# EAGLE board Mk4 Final Panel 8up 2x4 (EAGLE 9.0.1), part 20 of 23 (continued)
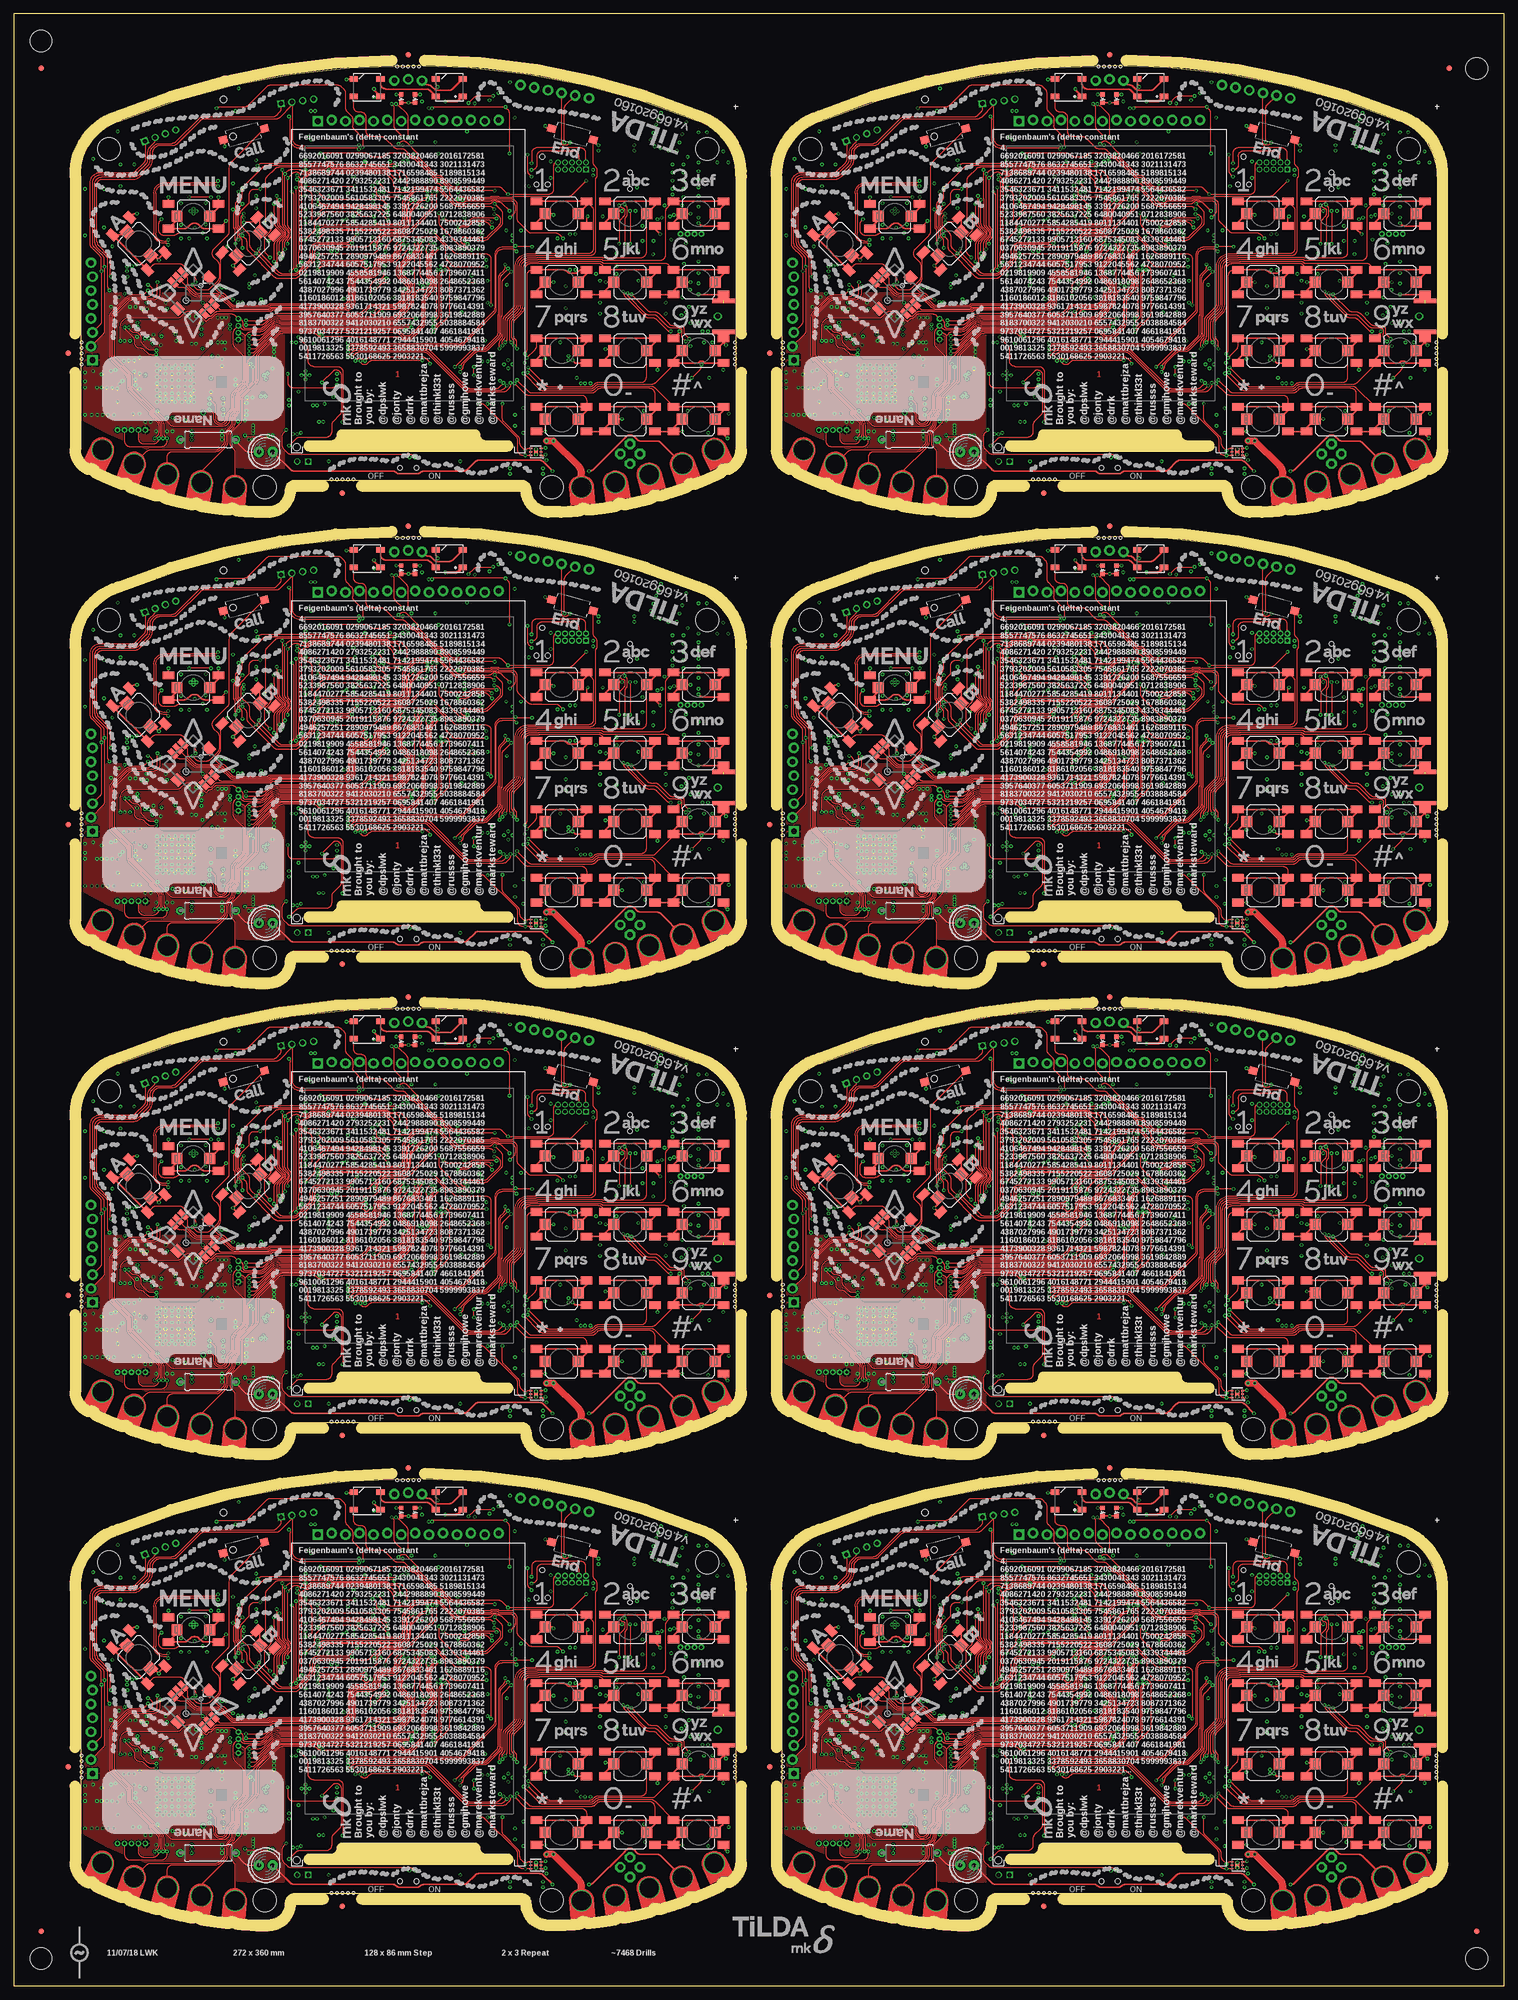
[diagram p0: board, top side]
## Tracks (layer width: path | path; a pad name or v marks a point on that pad's centre or on a via) (continued)
SWO  (via drill 0.3)
  Top 0.2: v93.75,76.25 93.75,73.41 arc45 94.04,72.71 v94.5,72.25
  Bottom 0.2: J3.6 101.9,76.3 arc90 100.9,77.3 95.16,77.3 arc45 94.46,77.01 93.75,76.3 v93.75,76.25 93.75,75.75 90.89,72.89 arc-45 90.19,72.6 84.51,72.6 arc45 83.81,72.31 82.99,71.49 arc-45 82.29,71.2 81.78,71.2 arc-45 81.43,71.35 81.37,71.4 arc45 81.02,71.55 81,71.55 80.98,71.55 arc45 80.63,71.4 80.57,71.35 arc-45 80.22,71.2 IC1.97 | JP4.6 94.66,72.09 v94.5,72.25
SWO1  (via drill 0.3)
  Top 0.2: v221.75,76.25 221.75,73.41 arc45 222.04,72.71 v222.5,72.25
  Bottom 0.2: J13.6 229.9,76.3 arc90 228.9,77.3 223.16,77.3 arc45 222.46,77.01 221.75,76.3 v221.75,76.25 221.75,75.75 218.89,72.89 arc-45 218.19,72.6 212.51,72.6 arc45 211.81,72.31 210.99,71.49 arc-45 210.29,71.2 209.78,71.2 arc-45 209.43,71.35 209.37,71.4 arc45 209.02,71.55 208.98,71.55 arc45 208.63,71.4 208.57,71.35 arc-45 208.22,71.2 IC20.97 | JP10.6 222.66,72.09 v222.5,72.25
SWO2  (via drill 0.3)
  Top 0.2: v93.75,162.25 93.75,159.41 arc45 94.04,158.71 v94.5,158.25
  Bottom 0.2: J23.6 101.9,162.3 arc90 100.9,163.3 95.16,163.3 arc45 94.46,163.01 93.75,162.3 v93.75,162.25 93.75,161.75 90.89,158.89 arc-45 90.19,158.6 84.51,158.6 arc45 83.81,158.31 82.99,157.49 arc-45 82.29,157.2 81.78,157.2 arc-45 81.43,157.35 81.37,157.4 arc45 81.02,157.55 80.98,157.55 arc45 80.63,157.4 80.57,157.35 arc-45 80.22,157.2 IC38.97 | JP19.6 94.66,158.09 v94.5,158.25
SWO3  (via drill 0.3)
  Top 0.2: v221.75,162.25 221.75,159.41 arc45 222.04,158.71 v222.5,158.25
  Bottom 0.2: J33.6 229.9,162.3 arc90 228.9,163.3 223.16,163.3 arc45 222.46,163.01 221.75,162.3 v221.75,162.25 221.75,161.75 218.89,158.89 arc-45 218.19,158.6 212.51,158.6 arc45 211.81,158.31 210.99,157.49 arc-45 210.29,157.2 209.78,157.2 arc-45 209.43,157.35 209.37,157.4 arc45 209.02,157.55 208.98,157.55 arc45 208.63,157.4 208.57,157.35 arc-45 208.22,157.2 IC56.97 | JP28.6 222.66,158.09 v222.5,158.25
SWO4  (via drill 0.3)
  Top 0.2: v93.75,248.25 93.75,245.41 arc45 94.04,244.71 v94.5,244.25
  Bottom 0.2: J43.6 101.9,248.3 arc90 100.9,249.3 95.16,249.3 arc45 94.46,249.01 93.75,248.3 v93.75,248.25 93.75,247.75 90.89,244.89 arc-45 90.19,244.6 84.51,244.6 arc45 83.81,244.31 82.99,243.49 arc-45 82.29,243.2 81.78,243.2 arc-45 81.43,243.35 81.37,243.4 arc45 81.02,243.55 80.98,243.55 arc45 80.63,243.4 80.57,243.35 arc-45 80.22,243.2 IC74.97 | JP37.6 94.66,244.09 v94.5,244.25
SWO5  (via drill 0.3)
  Top 0.2: v221.75,248.25 221.75,245.41 arc45 222.04,244.71 v222.5,244.25
  Bottom 0.2: J53.6 229.9,248.3 arc90 228.9,249.3 223.16,249.3 arc45 222.46,249.01 221.75,248.3 v221.75,248.25 221.75,247.75 218.89,244.89 arc-45 218.19,244.6 212.51,244.6 arc45 211.81,244.31 210.99,243.49 arc-45 210.29,243.2 209.78,243.2 arc-45 209.43,243.35 209.37,243.4 arc45 209.02,243.55 208.98,243.55 arc45 208.63,243.4 208.57,243.35 arc-45 208.22,243.2 IC92.97 | JP46.6 222.66,244.09 v222.5,244.25
SWO6  (via drill 0.3)
  Top 0.2: v93.75,334.25 93.75,331.41 arc45 94.04,330.71 v94.5,330.25
  Bottom 0.2: J63.6 101.9,334.3 arc90 100.9,335.3 95.16,335.3 arc45 94.46,335.01 93.75,334.3 v93.75,334.25 93.75,333.75 90.89,330.89 arc-45 90.19,330.6 84.51,330.6 arc45 83.81,330.31 82.99,329.49 arc-45 82.29,329.2 81.78,329.2 arc-45 81.43,329.35 81.37,329.4 arc45 81.02,329.55 80.98,329.55 arc45 80.63,329.4 80.57,329.35 arc-45 80.22,329.2 IC110.97 | JP55.6 94.66,330.09 v94.5,330.25
SWO7  (via drill 0.3)
  Top 0.2: v221.75,334.25 221.75,331.41 arc45 222.04,330.71 v222.5,330.25
  Bottom 0.2: J73.6 229.9,334.3 arc90 228.9,335.3 223.16,335.3 arc45 222.46,335.01 221.75,334.3 v221.75,334.25 221.75,333.75 218.89,330.89 arc-45 218.19,330.6 212.51,330.6 arc45 211.81,330.31 210.99,329.49 arc-45 210.29,329.2 209.78,329.2 arc-45 209.43,329.35 209.37,329.4 arc45 209.02,329.55 208.98,329.55 arc45 208.63,329.4 208.57,329.35 arc-45 208.22,329.2 IC128.97 | JP64.6 222.66,330.09 v222.5,330.25
T3CCPO_WS1  (via drill 0.3)
  Top 0.2: v215.8,67.3 216.91,66.19 arc-45 217.2,65.49 217.2,63.91 arc-45 216.91,63.21 214.59,60.89 arc-45 213.89,60.6 v210.3,60.6 | v215.8,69.7 209.71,69.7 arc-45 209.57,69.76 209.39,69.94 arc45 209.25,70 208.32,70 arc-45 207.61,70.29 206,71.9 arc45 205.65,72.05 205.52,72.05 arc-45 204.82,72.34 201.46,75.7 arc45 201.21,75.8 arc-45 200.51,76.09 199.59,77.01 arc45 198.89,77.3 198.11,77.3 arc-45 197.41,77.59 195.79,79.21 arc45 195.09,79.5 193.36,79.5 arc-90 192.36,80.5 192.36,83 arc90 191.36,84 191.05,84 arc-90 190.05,85 LED7.4
  Bottom 0.2: v215.8,69.7 v215.8,67.3 | v210.3,60.6 210.17,60.47 arc-45 209.82,60.33 209.57,60.33 arc45 209.22,60.18 209.19,60.15 arc-45 208.83,60 IC20.125
T3CCPO_WS2  (via drill 0.3)
  Top 0.2: v87.8,153.3 88.91,152.19 arc-45 89.2,151.49 89.2,149.91 arc-45 88.91,149.21 86.59,146.89 arc-45 85.89,146.6 v82.3,146.6 | v87.8,155.7 81.71,155.7 arc-45 81.57,155.76 81.39,155.94 arc45 81.25,156 80.32,156 arc-45 79.61,156.29 78,157.9 arc45 77.64,158.05 77.52,158.05 arc-45 76.82,158.34 73.46,161.7 arc45 73.21,161.8 arc-45 72.51,162.09 71.59,163.01 arc45 70.89,163.3 70.11,163.3 arc-45 69.41,163.59 67.79,165.21 arc45 67.09,165.5 65.36,165.5 arc-90 64.36,166.5 64.36,169 arc90 63.36,170 63.05,170 arc-90 62.05,171 LED13.4
  Bottom 0.2: v87.8,155.7 v87.8,153.3 | v82.3,146.6 82.17,146.47 arc-45 81.82,146.32 81.57,146.32 arc45 81.22,146.18 81.19,146.15 arc-45 80.83,146 IC38.125
T3CCPO_WS3  (via drill 0.3)
  Top 0.2: v215.8,153.3 216.91,152.19 arc-45 217.2,151.49 217.2,149.91 arc-45 216.91,149.21 214.59,146.89 arc-45 213.89,146.6 v210.3,146.6 | v215.8,155.7 209.71,155.7 arc-45 209.57,155.76 209.39,155.94 arc45 209.25,156 208.32,156 arc-45 207.61,156.29 206,157.9 arc45 205.65,158.05 205.52,158.05 arc-45 204.82,158.34 201.46,161.7 arc45 201.21,161.8 arc-45 200.51,162.09 199.59,163.01 arc45 198.89,163.3 198.11,163.3 arc-45 197.41,163.59 195.79,165.21 arc45 195.09,165.5 193.36,165.5 arc-90 192.36,166.5 192.36,169 arc90 191.36,170 191.05,170 arc-90 190.05,171 LED19.4
  Bottom 0.2: v215.8,155.7 v215.8,153.3 | v210.3,146.6 210.17,146.47 arc-45 209.82,146.32 209.57,146.32 arc45 209.22,146.18 209.19,146.15 arc-45 208.83,146 IC56.125
T3CCPO_WS4  (via drill 0.3)
  Top 0.2: v87.8,239.3 88.91,238.19 arc-45 89.2,237.49 89.2,235.91 arc-45 88.91,235.21 86.59,232.89 arc-45 85.89,232.6 v82.3,232.6 | v87.8,241.7 81.71,241.7 arc-45 81.57,241.76 81.39,241.94 arc45 81.25,242 80.32,242 arc-45 79.61,242.29 78,243.9 arc45 77.64,244.05 77.52,244.05 arc-45 76.82,244.34 73.46,247.7 arc45 73.21,247.8 arc-45 72.51,248.09 71.59,249.01 arc45 70.89,249.3 70.11,249.3 arc-45 69.41,249.59 67.79,251.21 arc45 67.09,251.5 65.36,251.5 arc-90 64.36,252.5 64.36,255 arc90 63.36,256 63.05,256 arc-90 62.05,257 LED25.4
  Bottom 0.2: v87.8,241.7 v87.8,239.3 | v82.3,232.6 82.17,232.47 arc-45 81.82,232.32 81.57,232.32 arc45 81.22,232.18 81.19,232.15 arc-45 80.83,232 IC74.125
T3CCPO_WS5  (via drill 0.3)
  Top 0.2: v215.8,239.3 216.91,238.19 arc-45 217.2,237.49 217.2,235.91 arc-45 216.91,235.21 214.59,232.89 arc-45 213.89,232.6 v210.3,232.6 | v215.8,241.7 209.71,241.7 arc-45 209.57,241.76 209.39,241.94 arc45 209.25,242 208.32,242 arc-45 207.61,242.29 206,243.9 arc45 205.65,244.05 205.52,244.05 arc-45 204.82,244.34 201.46,247.7 arc45 201.21,247.8 arc-45 200.51,248.09 199.59,249.01 arc45 198.89,249.3 198.11,249.3 arc-45 197.41,249.59 195.79,251.21 arc45 195.09,251.5 193.36,251.5 arc-90 192.36,252.5 192.36,255 arc90 191.36,256 191.05,256 arc-90 190.05,257 LED31.4
  Bottom 0.2: v215.8,241.7 v215.8,239.3 | v210.3,232.6 210.17,232.47 arc-45 209.82,232.32 209.57,232.32 arc45 209.22,232.18 209.19,232.15 arc-45 208.83,232 IC92.125
T3CCPO_WS6  (via drill 0.3)
  Top 0.2: v87.8,325.3 88.91,324.19 arc-45 89.2,323.49 89.2,321.91 arc-45 88.91,321.21 86.59,318.89 arc-45 85.89,318.6 v82.3,318.6 | v87.8,327.7 81.71,327.7 arc-45 81.57,327.76 81.39,327.94 arc45 81.25,328 80.32,328 arc-45 79.61,328.29 78,329.9 arc45 77.64,330.05 77.52,330.05 arc-45 76.82,330.34 73.46,333.7 arc45 73.21,333.8 arc-45 72.51,334.09 71.59,335.01 arc45 70.89,335.3 70.11,335.3 arc-45 69.41,335.59 67.79,337.21 arc45 67.09,337.5 65.36,337.5 arc-90 64.36,338.5 64.36,341 arc90 63.36,342 63.05,342 arc-90 62.05,343 LED37.4
  Bottom 0.2: v87.8,327.7 v87.8,325.3 | v82.3,318.6 82.17,318.47 arc-45 81.82,318.32 81.57,318.32 arc45 81.22,318.18 81.19,318.15 arc-45 80.83,318 IC110.125
T3CCPO_WS7  (via drill 0.3)
  Top 0.2: v215.8,325.3 216.91,324.19 arc-45 217.2,323.49 217.2,321.91 arc-45 216.91,321.21 214.59,318.89 arc-45 213.89,318.6 v210.3,318.6 | v215.8,327.7 209.71,327.7 arc-45 209.57,327.76 209.39,327.94 arc45 209.25,328 208.32,328 arc-45 207.61,328.29 206,329.9 arc45 205.65,330.05 205.52,330.05 arc-45 204.82,330.34 201.46,333.7 arc45 201.21,333.8 arc-45 200.51,334.09 199.59,335.01 arc45 198.89,335.3 198.11,335.3 arc-45 197.41,335.59 195.79,337.21 arc45 195.09,337.5 193.36,337.5 arc-90 192.36,338.5 192.36,341 arc90 191.36,342 191.05,342 arc-90 190.05,343 LED43.4
  Bottom 0.2: v215.8,327.7 v215.8,325.3 | v210.3,318.6 210.17,318.47 arc-45 209.82,318.32 209.57,318.32 arc45 209.22,318.18 209.19,318.15 arc-45 208.83,318 IC128.125
T3CCPO_WS2812  (via drill 0.3)
  Top 0.2: v87.8,67.3 88.91,66.19 arc-45 89.2,65.49 89.2,63.91 arc-45 88.91,63.21 86.59,60.89 arc-45 85.89,60.6 v82.3,60.6 | v87.8,69.7 81.71,69.7 arc-45 81.57,69.76 81.39,69.94 arc45 81.25,70 80.32,70 arc-45 79.61,70.29 78,71.9 arc45 77.64,72.05 77.52,72.05 arc-45 76.82,72.34 73.46,75.7 arc45 73.21,75.8 arc-45 72.51,76.09 71.59,77.01 arc45 70.89,77.3 70.11,77.3 arc-45 69.41,77.59 67.79,79.21 arc45 67.09,79.5 65.36,79.5 arc-90 64.36,80.5 64.36,83 arc90 63.36,84 63.05,84 arc-90 62.05,85 LED1.4
  Bottom 0.2: v87.8,69.7 v87.8,67.3 | v82.3,60.6 82.17,60.47 arc-45 81.82,60.33 81.57,60.33 arc45 81.22,60.18 81.19,60.15 arc-45 80.83,60 IC1.125
T4CCP0  (via drill 0.3)
  Top 0.15: v77,59.2 76.72,58.92 arc45 76.58,58.57 arc-45 76.46,58.3 76.19,58.03 arc45 75.9,57.32 75.9,54.61 arc45 76.19,53.91 76.42,53.68 arc-45 76.6,53.24 76.62,53.22 76.62,52.55 arc-45 76.19,51.49 75.17,50.47 arc45 74.8,49.58 74.8,45.72 arc-45 74.43,44.83 72.87,43.27 arc-45 71.98,42.9 71.41,42.9 arc-45 70.71,43.19 70.29,43.61 arc45 69.59,43.9 56.26,43.9 arc45 55.9,43.75 v55.8,43.65 55.74,43.71 arc45 55.04,44 49.07,44 arc45 48.19,43.63 44.67,40.11 arc45 44.3,39.23 44.3,35.41 arc-45 44.01,34.71 41.67,32.37 arc45 41.3,31.48 41.3,30.01 arc-45 40.69,28.54 arc45 40.4,27.84 40.4,27.3 arc-45 39.96,26.24 39.52,25.79 arc45 39.15,24.91 39.15,23.97 arc-45 38.71,22.91 34.2,18.4 PCB.CH2
  3V3@2 0.15: PCB.CH2 | v22.4,56.2 22.4,55.9 22,55.5 22,53.5 21,52.5 19.5,52.5 18.6,51.6 18.6,50.6 14.37,46.37 JP6.4
  Bottom 0.15: v55.8,43.65 arc-45 55.29,43.86 52.34,46.81 arc45 50.92,47.4 45.23,47.4 arc-45 44.52,47.69 40.93,51.29 arc-45 40.8,51.6 40.8,51.75 arc90 39.05,53.5 36.06,53.5 arc-45 35.36,53.79 33.76,55.39 arc45 32.52,55.9 23.11,55.9 arc-45 v22.41,56.19 v22.4,56.2
  Bottom 0.2: v77,59.2 77.44,59.63 arc-90 78.14,59.63 78.43,59.35 arc45 78.78,59.2 IC1.127
T4CCP1  (via drill 0.3)
  Top 0.15: PCB.CH1 40.38,21.9 arc45 40.09,22.61 39.74,22.96 arc-45 39.45,23.66 39.45,24.89 arc-45 39.74,25.59 41.27,27.12 arc45 41.6,27.91 41.6,31.46 arc-45 41.89,32.17 44.23,34.51 arc45 44.6,35.39 44.6,39.21 arc-45 44.89,39.92 48.38,43.41 arc-45 49.09,43.7 54.59,43.7 arc-45 55.29,43.41 55.45,43.25 arc45 55.81,43.1 v56.4,43.1 62,43.1 62.05,43.05 69.94,43.05 arc-45 70.64,42.76 arc45 71.02,42.6 72.08,42.6 arc45 73.14,43.04 74.66,44.56 arc45 75.1,45.62 75.1,49.49 arc-45 75.39,50.19 76.41,51.21 arc45 76.92,52.45 76.92,53.34 76.9,53.37 arc45 76.66,53.94 76.49,54.11 arc-45 76.2,54.81 76.2,57.19 arc-45 76.49,57.89 v77.8,59.2
  3V3@2 0.15: v21.6,55.9 21.6,53.6 21,53 19,53 18.25,52.25 18.25,51 16.16,48.91 JP6.5
  Bottom 0.15: v56.4,43.1 55.81,43.1 arc-45 55.45,43.25 52.11,46.59 arc45 50.88,47.1 45.11,47.1 arc-45 44.4,47.39 40.65,51.15 arc-45 40.5,51.5 40.5,51.7 arc90 39,53.2 36.02,53.2 arc-45 35.13,53.57 33.54,55.16 arc45 32.48,55.6 22.31,55.6 arc-45 v21.61,55.89 v21.6,55.9
  Bottom 0.2: IC1.128 78.41,58.8 arc-45 78.05,58.95 v77.8,59.2
T4CCP2  (via drill 0.3)
  Top 0.15: v205,59.2 204.72,58.92 arc45 204.57,58.57 arc-45 204.46,58.3 204.19,58.03 arc45 203.9,57.32 203.9,54.61 arc45 204.19,53.91 204.42,53.68 arc-45 204.6,53.24 204.62,53.22 204.62,52.55 arc-45 204.19,51.49 203.17,50.47 arc45 202.8,49.58 202.8,45.72 arc-45 202.43,44.83 200.87,43.27 arc-45 199.98,42.9 199.41,42.9 arc-45 198.71,43.19 198.29,43.61 arc45 197.59,43.9 184.26,43.9 arc45 183.9,43.75 v183.8,43.65 183.74,43.71 arc45 183.04,44 177.07,44 arc45 176.19,43.63 172.67,40.11 arc45 172.3,39.23 172.3,35.41 arc-45 172.01,34.71 169.67,32.37 arc45 169.3,31.48 169.3,30.01 arc-45 168.69,28.54 arc45 168.4,27.84 168.4,27.3 arc-45 167.96,26.24 167.52,25.79 arc45 167.15,24.91 167.15,23.97 arc-45 166.71,22.91 162.2,18.4 PCB1.CH2
  3V3@2 0.15: PCB1.CH2 | v150.4,56.2 150.4,55.9 150,55.5 150,53.5 149,52.5 147.5,52.5 146.6,51.6 146.6,50.6 142.37,46.37 JP17.4
  Bottom 0.15: v183.8,43.65 arc-45 183.29,43.86 180.34,46.81 arc45 178.92,47.4 173.23,47.4 arc-45 172.52,47.69 168.93,51.29 arc-45 168.8,51.6 168.8,51.75 arc90 167.05,53.5 164.06,53.5 arc-45 163.36,53.79 161.76,55.39 arc45 160.53,55.9 151.11,55.9 arc-45 v150.41,56.19 v150.4,56.2
  Bottom 0.2: v205,59.2 205.44,59.63 arc-90 206.14,59.63 206.43,59.35 arc45 206.78,59.2 IC20.127
T4CCP3  (via drill 0.3)
  Top 0.15: PCB1.CH1 168.38,21.9 arc45 168.09,22.61 167.74,22.96 arc-45 167.45,23.66 167.45,24.89 arc-45 167.74,25.59 169.28,27.12 arc45 169.6,27.91 169.6,31.46 arc-45 169.89,32.17 172.23,34.51 arc45 172.6,35.39 172.6,39.21 arc-45 172.89,39.92 176.38,43.41 arc-45 177.09,43.7 182.59,43.7 arc-45 183.29,43.41 183.45,43.25 arc45 183.81,43.1 v184.4,43.1 190,43.1 190.05,43.05 197.94,43.05 arc-45 198.64,42.76 arc45 199.02,42.6 200.08,42.6 arc45 201.14,43.04 202.66,44.56 arc45 203.1,45.62 203.1,49.49 arc-45 203.39,50.19 204.41,51.21 arc45 204.93,52.45 204.93,53.34 204.9,53.37 arc45 204.66,53.94 204.49,54.11 arc-45 204.2,54.81 204.2,57.19 arc-45 204.49,57.89 v205.8,59.2
  3V3@2 0.15: v149.6,55.9 149.6,53.6 149,53 147,53 146.25,52.25 146.25,51 144.16,48.91 JP17.5
  Bottom 0.15: v184.4,43.1 183.81,43.1 arc-45 183.45,43.25 180.11,46.59 arc45 178.88,47.1 173.11,47.1 arc-45 172.4,47.39 168.65,51.15 arc-45 168.5,51.5 168.5,51.7 arc90 167,53.2 164.02,53.2 arc-45 163.13,53.57 161.54,55.16 arc45 160.48,55.6 150.31,55.6 arc-45 v149.61,55.89 v149.6,55.9
  Bottom 0.2: IC20.128 206.41,58.8 arc-45 206.05,58.95 v205.8,59.2
T4CCP4  (via drill 0.3)
  Top 0.15: v77,145.2 76.72,144.92 arc45 76.58,144.57 arc-45 76.46,144.29 76.19,144.03 arc45 75.9,143.32 75.9,140.61 arc45 76.19,139.91 76.42,139.68 arc-45 76.6,139.24 76.62,139.22 76.62,138.55 arc-45 76.19,137.49 75.17,136.47 arc45 74.8,135.58 74.8,131.72 arc-45 74.43,130.83 72.87,129.27 arc-45 71.98,128.9 71.41,128.9 arc-45 70.71,129.19 70.29,129.61 arc45 69.59,129.9 56.26,129.9 arc45 55.9,129.75 v55.8,129.65 55.74,129.71 arc45 55.04,130 49.07,130 arc45 48.19,129.63 44.67,126.11 arc45 44.3,125.23 44.3,121.41 arc-45 44.01,120.71 41.67,118.37 arc45 41.3,117.48 41.3,116.01 arc-45 40.69,114.54 arc45 40.4,113.84 40.4,113.3 arc-45 39.96,112.24 39.52,111.79 arc45 39.15,110.91 39.15,109.97 arc-45 38.71,108.91 34.2,104.4 PCB2.CH2
  3V3@2 0.15: PCB2.CH2 | v22.4,142.2 22.4,141.9 22,141.5 22,139.5 21,138.5 19.5,138.5 18.6,137.6 18.6,136.6 14.37,132.37 JP26.4
  Bottom 0.15: v55.8,129.65 arc-45 55.29,129.86 52.34,132.81 arc45 50.92,133.4 45.23,133.4 arc-45 44.52,133.69 40.93,137.29 arc-45 40.8,137.6 40.8,137.75 arc90 39.05,139.5 36.06,139.5 arc-45 35.36,139.79 33.76,141.39 arc45 32.52,141.9 23.11,141.9 arc-45 v22.41,142.19 v22.4,142.2
  Bottom 0.2: v77,145.2 77.44,145.63 arc-90 78.14,145.63 78.43,145.35 arc45 78.78,145.2 IC38.127
T4CCP5  (via drill 0.3)
  Top 0.15: PCB2.CH1 40.38,107.9 arc45 40.09,108.61 39.74,108.96 arc-45 39.45,109.66 39.45,110.89 arc-45 39.74,111.59 41.27,113.12 arc45 41.6,113.91 41.6,117.46 arc-45 41.89,118.17 44.23,120.51 arc45 44.6,121.39 44.6,125.21 arc-45 44.89,125.92 48.38,129.41 arc-45 49.09,129.7 54.59,129.7 arc-45 55.29,129.41 55.45,129.25 arc45 55.81,129.1 v56.4,129.1 62,129.1 62.05,129.05 69.94,129.05 arc-45 70.64,128.76 arc45 71.02,128.6 72.08,128.6 arc45 73.14,129.04 74.66,130.56 arc45 75.1,131.62 75.1,135.49 arc-45 75.39,136.19 76.41,137.21 arc45 76.92,138.45 76.92,139.34 76.9,139.37 arc45 76.66,139.94 76.49,140.11 arc-45 76.2,140.81 76.2,143.19 arc-45 76.49,143.89 v77.8,145.2
  3V3@2 0.15: v21.6,141.9 21.6,139.6 21,139 19,139 18.25,138.25 18.25,137 16.16,134.91 JP26.5
  Bottom 0.15: v56.4,129.1 55.81,129.1 arc-45 55.45,129.25 52.11,132.59 arc45 50.88,133.1 45.11,133.1 arc-45 44.4,133.39 40.65,137.15 arc-45 40.5,137.5 40.5,137.7 arc90 39,139.2 36.02,139.2 arc-45 35.13,139.57 33.54,141.16 arc45 32.48,141.6 22.31,141.6 arc-45 v21.61,141.89 v21.6,141.9
  Bottom 0.2: IC38.128 78.41,144.8 arc-45 78.05,144.95 v77.8,145.2
T4CCP6  (via drill 0.3)
  Top 0.15: v205,145.2 204.72,144.92 arc45 204.57,144.57 arc-45 204.46,144.29 204.19,144.03 arc45 203.9,143.32 203.9,140.61 arc45 204.19,139.91 204.42,139.68 arc-45 204.6,139.24 204.62,139.22 204.62,138.55 arc-45 204.19,137.49 203.17,136.47 arc45 202.8,135.58 202.8,131.72 arc-45 202.43,130.83 200.87,129.27 arc-45 199.98,128.9 199.41,128.9 arc-45 198.71,129.19 198.29,129.61 arc45 197.59,129.9 184.26,129.9 arc45 183.9,129.75 v183.8,129.65 183.74,129.71 arc45 183.04,130 177.07,130 arc45 176.19,129.63 172.67,126.11 arc45 172.3,125.23 172.3,121.41 arc-45 172.01,120.71 169.67,118.37 arc45 169.3,117.48 169.3,116.01 arc-45 168.69,114.54 arc45 168.4,113.84 168.4,113.3 arc-45 167.96,112.24 167.52,111.79 arc45 167.15,110.91 167.15,109.97 arc-45 166.71,108.91 162.2,104.4 PCB3.CH2
  3V3@2 0.15: PCB3.CH2 | v150.4,142.2 150.4,141.9 150,141.5 150,139.5 149,138.5 147.5,138.5 146.6,137.6 146.6,136.6 142.37,132.37 JP35.4
  Bottom 0.15: v183.8,129.65 arc-45 183.29,129.86 180.34,132.81 arc45 178.92,133.4 173.23,133.4 arc-45 172.52,133.69 168.93,137.29 arc-45 168.8,137.6 168.8,137.75 arc90 167.05,139.5 164.06,139.5 arc-45 163.36,139.79 161.76,141.39 arc45 160.53,141.9 151.11,141.9 arc-45 v150.41,142.19 v150.4,142.2
  Bottom 0.2: v205,145.2 205.44,145.63 arc-90 206.14,145.63 206.43,145.35 arc45 206.78,145.2 IC56.127
T4CCP7  (via drill 0.3)
  Top 0.15: PCB3.CH1 168.38,107.9 arc45 168.09,108.61 167.74,108.96 arc-45 167.45,109.66 167.45,110.89 arc-45 167.74,111.59 169.28,113.12 arc45 169.6,113.91 169.6,117.46 arc-45 169.89,118.17 172.23,120.51 arc45 172.6,121.39 172.6,125.21 arc-45 172.89,125.92 176.38,129.41 arc-45 177.09,129.7 182.59,129.7 arc-45 183.29,129.41 183.45,129.25 arc45 183.81,129.1 v184.4,129.1 190,129.1 190.05,129.05 197.94,129.05 arc-45 198.64,128.76 arc45 199.02,128.6 200.08,128.6 arc45 201.14,129.04 202.66,130.56 arc45 203.1,131.62 203.1,135.49 arc-45 203.39,136.19 204.41,137.21 arc45 204.93,138.45 204.93,139.34 204.9,139.37 arc45 204.66,139.94 204.49,140.11 arc-45 204.2,140.81 204.2,143.19 arc-45 204.49,143.89 v205.8,145.2
  3V3@2 0.15: v149.6,141.9 149.6,139.6 149,139 147,139 146.25,138.25 146.25,137 144.16,134.91 JP35.5
  Bottom 0.15: v184.4,129.1 183.81,129.1 arc-45 183.45,129.25 180.11,132.59 arc45 178.88,133.1 173.11,133.1 arc-45 172.4,133.39 168.65,137.15 arc-45 168.5,137.5 168.5,137.7 arc90 167,139.2 164.02,139.2 arc-45 163.13,139.57 161.54,141.16 arc45 160.48,141.6 150.31,141.6 arc-45 v149.61,141.89 v149.6,141.9
  Bottom 0.2: IC56.128 206.41,144.8 arc-45 206.05,144.95 v205.8,145.2
T4CCP8  (via drill 0.3)
  Top 0.15: v77,231.2 76.72,230.92 arc45 76.58,230.57 arc-45 76.46,230.29 76.19,230.03 arc45 75.9,229.32 75.9,226.61 arc45 76.19,225.91 76.42,225.68 arc-45 76.6,225.24 76.62,225.22 76.62,224.55 arc-45 76.19,223.49 75.17,222.47 arc45 74.8,221.58 74.8,217.72 arc-45 74.43,216.83 72.87,215.27 arc-45 71.98,214.9 71.41,214.9 arc-45 70.71,215.19 70.29,215.61 arc45 69.59,215.9 56.26,215.9 arc45 55.9,215.75 v55.8,215.65 55.74,215.71 arc45 55.04,216 49.07,216 arc45 48.19,215.63 44.67,212.12 arc45 44.3,211.23 44.3,207.41 arc-45 44.01,206.71 41.67,204.37 arc45 41.3,203.48 41.3,202.01 arc-45 40.69,200.54 arc45 40.4,199.84 40.4,199.3 arc-45 39.96,198.24 39.52,197.79 arc45 39.15,196.91 39.15,195.97 arc-45 38.71,194.91 34.2,190.4 PCB4.CH2
  3V3@2 0.15: PCB4.CH2 | v22.4,228.2 22.4,227.9 22,227.5 22,225.5 21,224.5 19.5,224.5 18.6,223.6 18.6,222.6 14.37,218.37 JP44.4
  Bottom 0.15: v55.8,215.65 arc-45 55.29,215.86 52.34,218.81 arc45 50.92,219.4 45.23,219.4 arc-45 44.52,219.69 40.93,223.29 arc-45 40.8,223.6 40.8,223.75 arc90 39.05,225.5 36.06,225.5 arc-45 35.36,225.79 33.76,227.39 arc45 32.52,227.9 23.11,227.9 arc-45 v22.41,228.19 v22.4,228.2
  Bottom 0.2: v77,231.2 77.44,231.63 arc-90 78.14,231.63 78.43,231.35 arc45 78.78,231.2 IC74.127
T4CCP9  (via drill 0.3)
  Top 0.15: PCB4.CH1 40.38,193.9 arc45 40.09,194.61 39.74,194.96 arc-45 39.45,195.66 39.45,196.89 arc-45 39.74,197.59 41.27,199.12 arc45 41.6,199.91 41.6,203.46 arc-45 41.89,204.17 44.23,206.51 arc45 44.6,207.39 44.6,211.21 arc-45 44.89,211.92 48.38,215.41 arc-45 49.09,215.7 54.59,215.7 arc-45 55.29,215.41 55.45,215.25 arc45 55.81,215.1 v56.4,215.1 62,215.1 62.05,215.05 69.94,215.05 arc-45 70.64,214.76 arc45 71.02,214.6 72.08,214.6 arc45 73.14,215.04 74.66,216.56 arc45 75.1,217.62 75.1,221.49 arc-45 75.39,222.19 76.41,223.21 arc45 76.92,224.45 76.92,225.34 76.9,225.37 arc45 76.66,225.94 76.49,226.11 arc-45 76.2,226.81 76.2,229.19 arc-45 76.49,229.89 v77.8,231.2
  3V3@2 0.15: v21.6,227.9 21.6,225.6 21,225 19,225 18.25,224.25 18.25,223 16.16,220.91 JP44.5
  Bottom 0.15: v56.4,215.1 55.81,215.1 arc-45 55.45,215.25 52.11,218.59 arc45 50.88,219.1 45.11,219.1 arc-45 44.4,219.39 40.65,223.15 arc-45 40.5,223.5 40.5,223.7 arc90 39,225.2 36.02,225.2 arc-45 35.13,225.57 33.54,227.16 arc45 32.48,227.6 22.31,227.6 arc-45 v21.61,227.89 v21.6,227.9
  Bottom 0.2: IC74.128 78.41,230.8 arc-45 78.05,230.95 v77.8,231.2
T4CCP10  (via drill 0.3)
  Top 0.15: v205,231.2 204.72,230.92 arc45 204.57,230.57 arc-45 204.46,230.29 204.19,230.03 arc45 203.9,229.32 203.9,226.61 arc45 204.19,225.91 204.42,225.68 arc-45 204.6,225.24 204.62,225.22 204.62,224.55 arc-45 204.19,223.49 203.17,222.47 arc45 202.8,221.58 202.8,217.72 arc-45 202.43,216.83 200.87,215.27 arc-45 199.98,214.9 199.41,214.9 arc-45 198.71,215.19 198.29,215.61 arc45 197.59,215.9 184.26,215.9 arc45 183.9,215.75 v183.8,215.65 183.74,215.71 arc45 183.04,216 177.07,216 arc45 176.19,215.63 172.67,212.12 arc45 172.3,211.23 172.3,207.41 arc-45 172.01,206.71 169.67,204.37 arc45 169.3,203.48 169.3,202.01 arc-45 168.69,200.54 arc45 168.4,199.84 168.4,199.3 arc-45 167.96,198.24 167.52,197.79 arc45 167.15,196.91 167.15,195.97 arc-45 166.71,194.91 162.2,190.4 PCB5.CH2
  3V3@2 0.15: PCB5.CH2 | v150.4,228.2 150.4,227.9 150,227.5 150,225.5 149,224.5 147.5,224.5 146.6,223.6 146.6,222.6 142.37,218.37 JP53.4
  Bottom 0.15: v183.8,215.65 arc-45 183.29,215.86 180.34,218.81 arc45 178.92,219.4 173.23,219.4 arc-45 172.52,219.69 168.93,223.29 arc-45 168.8,223.6 168.8,223.75 arc90 167.05,225.5 164.06,225.5 arc-45 163.36,225.79 161.76,227.39 arc45 160.53,227.9 151.11,227.9 arc-45 v150.41,228.19 v150.4,228.2
  Bottom 0.2: v205,231.2 205.44,231.63 arc-90 206.14,231.63 206.43,231.35 arc45 206.78,231.2 IC92.127
T4CCP11  (via drill 0.3)
  Top 0.15: PCB5.CH1 168.38,193.9 arc45 168.09,194.61 167.74,194.96 arc-45 167.45,195.66 167.45,196.89 arc-45 167.74,197.59 169.28,199.12 arc45 169.6,199.91 169.6,203.46 arc-45 169.89,204.17 172.23,206.51 arc45 172.6,207.39 172.6,211.21 arc-45 172.89,211.92 176.38,215.41 arc-45 177.09,215.7 182.59,215.7 arc-45 183.29,215.41 183.45,215.25 arc45 183.81,215.1 v184.4,215.1 190,215.1 190.05,215.05 197.94,215.05 arc-45 198.64,214.76 arc45 199.02,214.6 200.08,214.6 arc45 201.14,215.04 202.66,216.56 arc45 203.1,217.62 203.1,221.49 arc-45 203.39,222.19 204.41,223.21 arc45 204.93,224.45 204.93,225.34 204.9,225.37 arc45 204.66,225.94 204.49,226.11 arc-45 204.2,226.81 204.2,229.19 arc-45 204.49,229.89 v205.8,231.2
  3V3@2 0.15: v149.6,227.9 149.6,225.6 149,225 147,225 146.25,224.25 146.25,223 144.16,220.91 JP53.5
  Bottom 0.15: v184.4,215.1 183.81,215.1 arc-45 183.45,215.25 180.11,218.59 arc45 178.88,219.1 173.11,219.1 arc-45 172.4,219.39 168.65,223.15 arc-45 168.5,223.5 168.5,223.7 arc90 167,225.2 164.02,225.2 arc-45 163.13,225.57 161.54,227.16 arc45 160.48,227.6 150.31,227.6 arc-45 v149.61,227.89 v149.6,227.9
  Bottom 0.2: IC92.128 206.41,230.8 arc-45 206.05,230.95 v205.8,231.2
T4CCP12  (via drill 0.3)
  Top 0.15: v77,317.2 76.72,316.92 arc45 76.58,316.57 arc-45 76.46,316.3 76.19,316.03 arc45 75.9,315.32 75.9,312.61 arc45 76.19,311.91 76.42,311.68 arc-45 76.6,311.24 76.62,311.22 76.62,310.55 arc-45 76.19,309.49 75.17,308.47 arc45 74.8,307.58 74.8,303.72 arc-45 74.43,302.83 72.87,301.27 arc-45 71.98,300.9 71.41,300.9 arc-45 70.71,301.19 70.29,301.61 arc45 69.59,301.9 56.26,301.9 arc45 55.9,301.75 v55.8,301.65 55.74,301.71 arc45 55.04,302 49.07,302 arc45 48.19,301.63 44.67,298.12 arc45 44.3,297.23 44.3,293.41 arc-45 44.01,292.71 41.67,290.37 arc45 41.3,289.48 41.3,288.01 arc-45 40.69,286.54 arc45 40.4,285.84 40.4,285.3 arc-45 39.96,284.24 39.52,283.79 arc45 39.15,282.91 39.15,281.97 arc-45 38.71,280.91 34.2,276.4 PCB6.CH2
  3V3@2 0.15: PCB6.CH2 | v22.4,314.2 22.4,313.9 22,313.5 22,311.5 21,310.5 19.5,310.5 18.6,309.6 18.6,308.6 14.37,304.37 JP62.4
  Bottom 0.15: v55.8,301.65 arc-45 55.29,301.86 52.34,304.81 arc45 50.92,305.4 45.23,305.4 arc-45 44.52,305.69 40.93,309.29 arc-45 40.8,309.6 40.8,309.75 arc90 39.05,311.5 36.06,311.5 arc-45 35.36,311.79 33.76,313.39 arc45 32.52,313.9 23.11,313.9 arc-45 v22.41,314.19 v22.4,314.2
  Bottom 0.2: v77,317.2 77.44,317.63 arc-90 78.14,317.63 78.43,317.35 arc45 78.78,317.2 IC110.127
T4CCP13  (via drill 0.3)
  Top 0.15: PCB6.CH1 40.38,279.9 arc45 40.09,280.61 39.74,280.96 arc-45 39.45,281.66 39.45,282.89 arc-45 39.74,283.59 41.27,285.12 arc45 41.6,285.91 41.6,289.46 arc-45 41.89,290.17 44.23,292.51 arc45 44.6,293.39 44.6,297.21 arc-45 44.89,297.92 48.38,301.41 arc-45 49.09,301.7 54.59,301.7 arc-45 55.29,301.41 55.45,301.25 arc45 55.81,301.1 v56.4,301.1 62,301.1 62.05,301.05 69.94,301.05 arc-45 70.64,300.76 arc45 71.02,300.6 72.08,300.6 arc45 73.14,301.04 74.66,302.56 arc45 75.1,303.62 75.1,307.49 arc-45 75.39,308.19 76.41,309.21 arc45 76.92,310.45 76.92,311.34 76.9,311.37 arc45 76.66,311.94 76.49,312.11 arc-45 76.2,312.81 76.2,315.19 arc-45 76.49,315.89 v77.8,317.2
  3V3@2 0.15: v21.6,313.9 21.6,311.6 21,311 19,311 18.25,310.25 18.25,309 16.16,306.91 JP62.5
  Bottom 0.15: v56.4,301.1 55.81,301.1 arc-45 55.45,301.25 52.11,304.59 arc45 50.88,305.1 45.11,305.1 arc-45 44.4,305.39 40.65,309.15 arc-45 40.5,309.5 40.5,309.7 arc90 39,311.2 36.02,311.2 arc-45 35.13,311.57 33.54,313.16 arc45 32.48,313.6 22.31,313.6 arc-45 v21.61,313.89 v21.6,313.9
  Bottom 0.2: IC110.128 78.41,316.8 arc-45 78.05,316.95 v77.8,317.2